# KiCad board tida_010057_imported.kicad_pcb (continued)
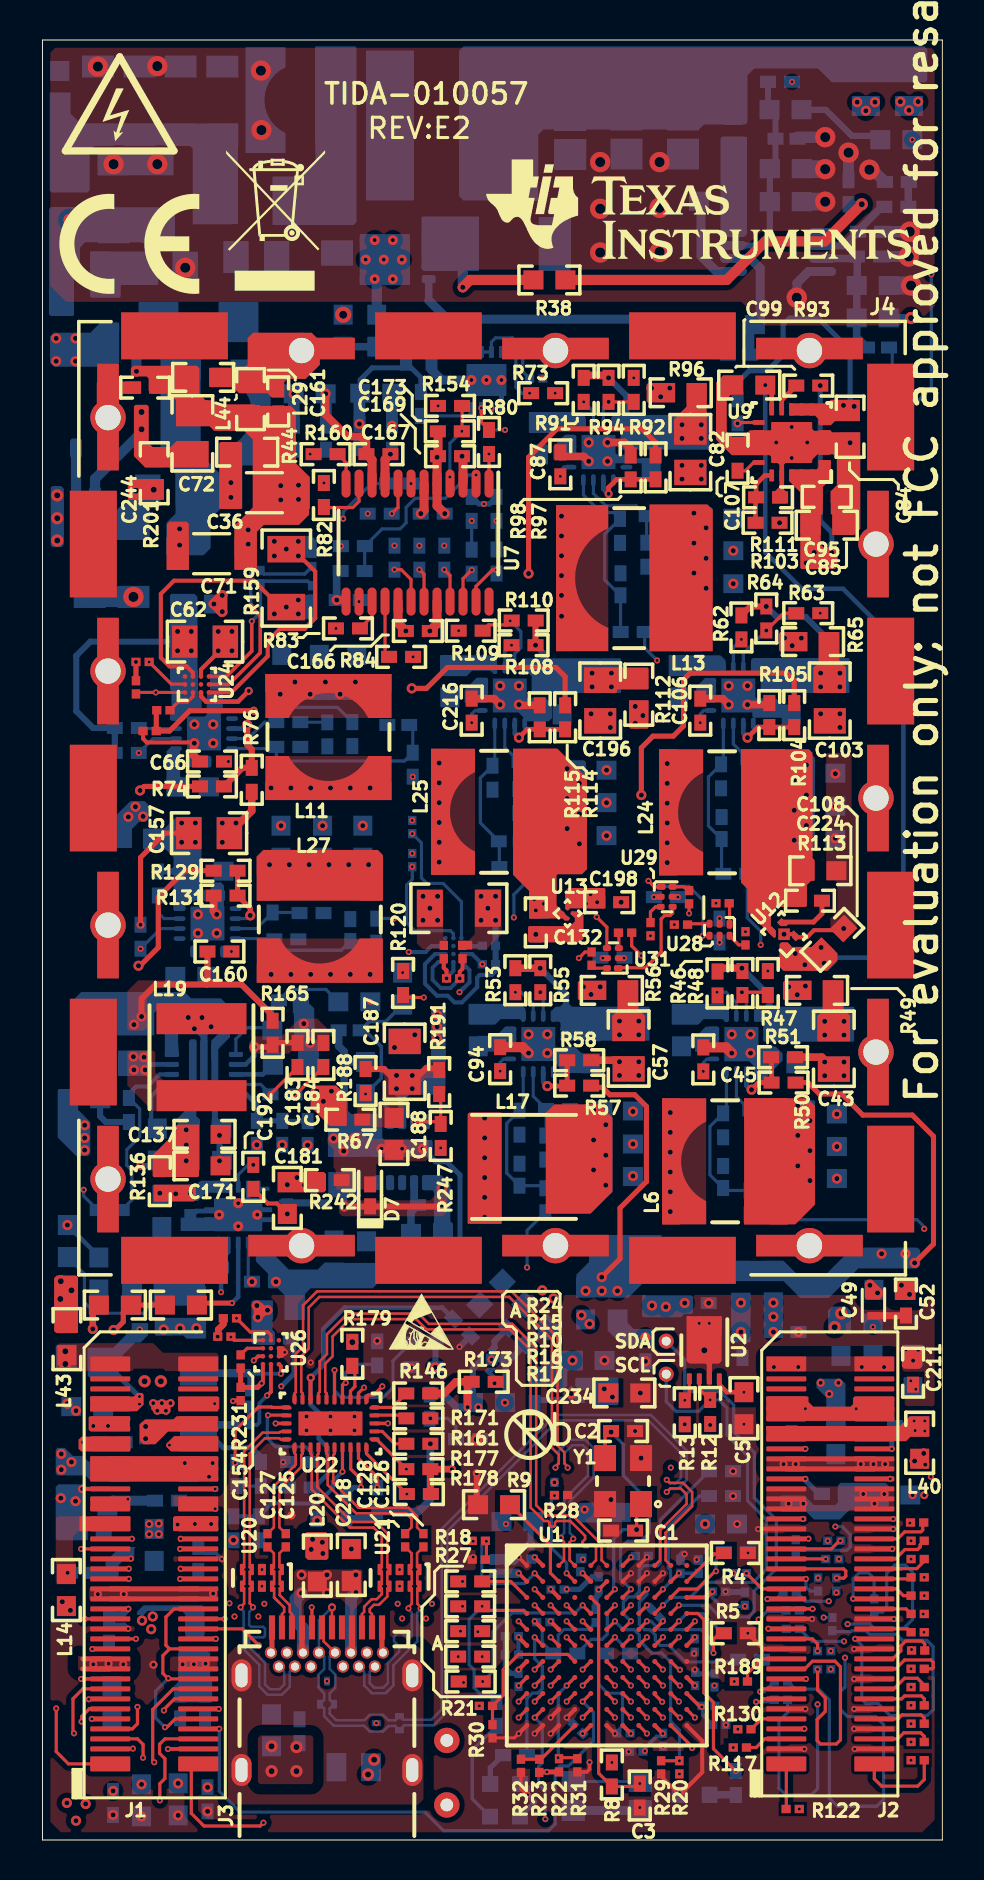
[diagram p0: board, top side]
## Routing (per net, layer and track width the routed paths; a pad name or vN(x,y) marks a point on that pad's centre or on a via; arc(x,y) is an arc through that point) (continued)
ALTERNATE HV INPUT:
  vias: v1(5.87,32.34) v1(6.66,32.31) v1(7.39,32.35) v1(13.72,37.44) v1(14.05,36.93) v1(14.45,37.44) v1(42.9,86.92) v1(43.33,86.49) v1(43.79,86.92)
CC1: length 14.1
  Top Layer w0.159: v2(16.08,22.62) 15.8,22.34 U22.2 ; J3.A5 13.47,11.67
  Signal Layer 1 w0.102: v2(13.46,11.63) 13.46,13.46 13.75,13.75 14.27,13.75 14.62,14.09 14.62,18.57 15.12,19.08 15.12,21.66 v2(16.08,22.62)
CC2: length 19.2
  Top Layer w0.159: U22.1 16.2,22.16 16.3,22.25 16.56,22.25 v2(16.99,22.68)
  Signal Layer 1 w0.102: J3.B5 15.02,8.17 15.3,7.9 16.92,7.9 17.56,8.54 17.56,9.87 17.22,10.21 17.22,18.01 16.71,18.52 16.71,22.4 v2(16.99,22.68)
CDCE_S0: length 89.5
  Top Layer w0.159: v2(24.61,11.74) U1.D2
  Signal Layer 2 w0.102: v2(24.61,11.74) 24.96,12.09 24.96,14.86 24.4,15.42 23.47,15.42 23.46,15.41 17.43,15.41 15.68,17.17 6.46,17.17 4.24,19.38 4.24,21.34 1.99,23.59 1.99,26.11 3.34,27.47 3.34,27.96 0.61,30.69 0.61,64.08 2.62,66.09 13.59,66.09 14.92,64.76 v2(14.92,64.69)
CDCE_VCTRL: length 100.4
  Top Layer w0.159: v2(26.21,11.74) U1.D4
  Signal Layer 1 w0.102: v2(44.42,18.16) 43.59,18.16 42.93,18.82 42.93,19.72 42.46,20.19 32.99,20.19 v2(31.42,18.62)
  Signal Layer 2 w0.102: v2(44.42,18.16) 44.63,18.36 44.63,30.76 43.74,31.65 43.74,65.48 41.88,67.34 29.87,67.34 28.98,68.22 27,68.22 24.15,71.08 20.41,71.08 v2(19.78,71.7) ; v2(26.21,11.74) 26.21,12.04 26.64,12.47 26.64,14.48 26.97,14.81 26.97,15.65 27.79,16.46 27.79,17.48 28.7,18.39 30.35,18.39 30.58,18.62 v2(31.42,18.62)
CLKIN_FX3: length 17.7
  Top Layer w0.159: J1.30 v2(9.11,11.06)
  Signal Layer 2 w0.102: v2(9.11,11.06) 8.87,11.29 8.87,11.91 9.26,12.3 11.16,12.3 12.26,11.2 15.39,11.2 17.27,13.08 19.81,13.08 20.32,12.57 20.32,11.53 20.9,10.95 v2(20.9,10.44)
DC_DC_CLK1: length 104.6
  Top Layer w0.159: J1.43 3.39,14.55 v2(1.93,14.55) ; v2(19.07,42.12) 18.16,42.12 R120.2
  Signal Layer 1 w0.102: v2(1.93,14.55) 1.93,15.09 2.46,15.62 4.75,15.62 4.9,15.47 4.9,15.02 5.06,14.85 6.14,14.85 6.32,15.03 6.32,19.17 7.01,19.86 7.01,21.56 14,28.55 20.22,28.55 20.8,29.13 20.8,40.87 19.55,42.12 v2(19.07,42.12) 17.63,40.68 13.89,40.68 13.27,41.31 11.68,41.31 9.9,43.08 9.9,44.81 9.4,45.31 9.4,48.08 10.21,48.9 10.21,54.05 11,54.84 11,58.11 10.08,59.03 10.08,61.48 9.8,61.76 9.8,66.04 9.91,66.15 9.91,67.06 10.24,67.38 10.24,68.43 10.71,68.91 15.46,68.91 16.36,69.8 16.36,70.71 17.74,72.09 22.5,72.09 23.13,71.47 v2(23.13,70.5) 24.02,70.5 25.02,71.5 v2(25.02,73.08)
  Bottom Layer w0.159: R75.2 v2(23.13,70.5)
DIR: length 2.7
  Bottom Layer w0.159: R148.2 10.99,17.63 R147.1 9.71,17.7 9.65,17.63
DM: length 46
  Top Layer w0.127: U1.A10 31.16,13.99 31.16,15.36 32.49,16.69 32.49,17.4 32.03,17.86 31.37,17.86 v2(31.22,18.01) ; J3.A7 14.47,11.63 v3(14.48,11.63)
  Bottom Layer w0.127: v2(31.22,18.01) 31.39,17.83 31.65,17.83 31.93,18.11 31.93,19.35 30.31,20.98 25.78,20.98 20.24,15.44 20.24,6.41 19.56,5.73 18.09,5.73 U19.2 17.64,5.7 17.3,5.7 17.03,5.43 16.37,5.43 16.08,5.72 14.57,5.72 14.08,6.2 14.08,6.58 U18.2 14.08,7 14.08,7.33 13.81,7.61 13.81,8.27 14.08,8.55 14.08,9.17 13.88,9.37 J3.B7 13.82,10.98 v3(14.48,11.63)
DP: length 43.9
  Top Layer w0.127: J3.A6 14.06,10.54 14.06,9.93 J3.B6 ; v2(31.22,17.4) 31.39,17.58 31.91,17.58 32.21,17.28 32.21,16.8 30.88,15.48 30.88,13.99 U1.A9
  Bottom Layer w0.127: v2(31.22,17.4) 31.22,17.4 31.37,17.55 31.76,17.55 32.21,17.99 32.21,19.47 30.42,21.25 25.66,21.25 19.96,15.56 19.96,6.53 19.45,6.01 18.03,6.01 U19.1 17.64,5.98 17.3,5.98 17.03,6.26 16.37,6.26 16.1,5.99 14.68,5.99 14.36,6.31 14.36,6.58 U18.1 14.36,7 14.36,7.33 14.64,7.61 14.64,8.27 14.36,8.55 14.36,9.17 14.57,9.37 J3.B6
FPGA_PG_1V: length 29.8
  Top Layer w0.159: R95.1 29.46,44.7 v2(29.95,44.22)
  Signal Layer 2 w0.102: v2(4.9,44.56) 5.52,43.94 21.13,43.94 22.23,45.04 24.22,45.04 24.78,44.48 29.69,44.48 v2(29.95,44.22)
  Bottom Layer w0.159: v2(4.9,44.56) 5.91,45.57 U30.14
FPGA_PG_2V5: length 34.7
  Top Layer w0.159: v2(32.33,46.33) R234.1
  Signal Layer 2 w0.102: v2(32.33,46.33) 30.43,46.33 28.78,47.98 21.54,47.98 21.03,48.49 21.03,50.54 20.19,51.38 7.79,51.38 v2(4.82,54.36)
  Bottom Layer w0.159: v2(4.82,54.36) 5.53,55.07 U6.14
FX3_A0: length 29.2
  Top Layer w0.159: v2(27.01,7.72) U1.H5 ; J1.7 4.49,5.56 4.75,5.82 v2(4.75,6.65)
  Signal Layer 2 w0.102: v2(4.75,6.65) 5.38,7.29 7.25,7.29 8.59,8.63 8.59,8.64 9.05,9.1 9.06,9.1 10.44,10.49 17.3,10.49 17.81,9.98 18.4,9.98 21.22,7.16 22.16,7.16 22.77,6.55 26.37,6.55 26.56,6.75 26.56,7.06 27.01,7.51 v2(27.01,7.72)
FX3_A1: length 28.8
  Top Layer w0.159: v2(27.01,6.92) U1.J5
  Bottom Layer w0.159: v2(27.01,6.92) 27.55,6.38 27.55,4.94 26.31,3.7 25.87,3.7 25.64,3.46 25.64,0.8 25.3,0.46 20.06,0.46 19.13,1.4 9.88,1.4 8.84,2.44 v2(8.84,5.56)
FX3_CLK: length 3
  Top Layer w0.159: 44.02,15.85 44.02,15.5 43.93,15.41 43.11,15.41 42.76,15.06 J2.46
FX3_CTL15: length 33.3
  Top Layer w0.159: v2(5.87,1.98) 5.87,2.82 6.12,3.07 6.12,4.06 5.85,4.33 5.85,4.79 6.12,5.06 J1.6 ; U1.L8 v2(30.23,5.32)
  Signal Layer 1 w0.102: v2(5.87,1.98) 6.03,2.14 15.15,2.14 16.58,0.72 21.13,0.72 23.06,2.65 28.76,2.65 29.74,3.63 29.74,4.83 v2(30.23,5.32)
FX3_D0: length 2.3
  Top Layer w0.159: J2.1 37.2,1.56 R122.2
FX3_D1: length 4.5
  Top Layer w0.159: R192.2 44.09,3.02 43.76,2.69 41.96,2.69 41.6,3.06 J2.2
FX3_D2: length 2.2
  Top Layer w0.159: R117.2 35.69,4.62 36.12,5.06 J2.5
FX3_D3: length 3
  Top Layer w0.159: R169.2 44.09,5.18 43.92,5.36 43.07,5.36 42.77,5.06 J2.6
FX3_D4: length 2
  Top Layer w0.159: J2.9 35.95,6.06 R130.2
FX3_D5: length 2.9
  Top Layer w0.159: R194.2 44.09,6.1 43.93,6.26 42.99,6.26 42.78,6.06 J2.10
FX3_D6: length 2.6
  Top Layer w0.159: J2.13 36.09,7.06 35.94,6.91 v2(35.69,6.91)
  Bottom Layer w0.159: R155.2 36.56,7.06 36.41,6.91 v2(35.69,6.91)
FX3_D7: length 2.9
  Top Layer w0.159: R193.2 44.09,7.06 43.95,7.2 43.11,7.2 42.96,7.06 J2.14
FX3_D8: length 2.3
  Top Layer w0.159: v2(35.89,7.42) 36.03,7.56 J2.15
  Bottom Layer w0.159: R150.2 36.09,7.42 v2(35.89,7.42)
FX3_D9: length 3
  Top Layer w0.159: R196.2 44.09,7.75 43.75,8.09 43.11,8.09 42.58,7.56 J2.16
FX3_D10: length 11.9
  Top Layer w0.159: J2.19 38.12,8.56 38.51,8.94 39.62,8.94 39.9,8.66 39.9,5 39.7,4.8 38.91,4.8 38.73,4.97 38.73,6.02 39.14,6.43 39.14,7.11 38.76,7.49 v2(38.76,8.53) 38.74,8.56
FX3_D11: length 3.9
  Top Layer w0.159: J2.20 42.66,8.56 43.11,9 44.43,9 44.54,8.89 44.54,8.61 44.49,8.56 R197.2
FX3_D12: length 2.6
  Top Layer w0.159: R189.2 35.26,8.33 35.98,9.06 J2.21
FX3_D13: length 3.4
  Top Layer w0.159: R125.2 44.12,9.8 43.98,9.95 43.16,9.95 42.93,9.71 42.93,9.46 42.52,9.06 J2.22
FX3_D14: length 2
  Top Layer w0.159: J2.25 38.51,10.06 38.76,9.8 v2(38.76,9.45)
FX3_D15: length 16.7
  Top Layer w0.159: 41.59,10.06 J2.26 40.64,10.06 v2(40.64,10.06)
  Bottom Layer w0.159: v2(40.64,10.06) 40.97,9.73 40.97,7.03 41.17,6.83 41.78,6.83 42.38,6.22 44.25,6.22 44.54,6.52 44.54,9.66 44.22,9.98 43,9.98 42.7,10.29 41.35,10.29 41.17,10.47 40.47,10.47 40.42,10.42 39.55,10.42 R243.2
FX3_D16: length 1.9
  Top Layer w0.159: v2(36.3,10.57) 36.27,10.57 36.26,10.56 J2.27 37.21,10.57
  Bottom Layer w0.159: 36.26,10.56 36.27,10.57 v2(36.3,10.57) 36.31,10.56 J2.27
FX3_D17: length 1.9
  Top Layer w0.159: J2.28 43.27,10.56 R244.2
FX3_D18: length 2.1
  Top Layer w0.159: 38.58,11.56 v2(38.51,11.56) J2.31
  Bottom Layer w0.159: R228.2 37.92,11.56 v2(38.51,11.56)
FX3_D19: length 1.9
  Top Layer w0.159: J2.32 43.18,11.56 R227.2
FX3_D20: length 0.9
  Bottom Layer w0.159: R224.2 36.69,12.05 v2(36.25,12.05)
FX3_D21: length 4.4
  Top Layer w0.159: J2.34 41.59,12.06 v2(40.54,12.06)
  Bottom Layer w0.159: J2.34 41.59,12.06 41.59,13.07 41.3,13.36 40.84,13.36 40.54,13.06 v2(40.54,12.06)
FX3_D22: length 2.3
  Top Layer w0.159: v2(35.2,13.34) 35.98,12.56 J2.35
FX3_D23: length 2
  Top Layer w0.159: R216.2 43.05,12.22 42.71,12.56 J2.36
FX3_D24: length 1.1
  Bottom Layer w0.159: R223.2 38.38,12.45 38.18,12.65 v2(38.18,13.06)
FX3_D25: length 1.9
  Top Layer w0.159: J2.38 43.36,13.06 R218.2
FX3_D26: length 3.8
  Top Layer w0.159: J2.39 40.06,13.56 40.17,13.45 40.17,13.2 40.07,13.09 v2(39.71,13.09)
FX3_D27: length 4.2
  Top Layer w0.159: R219.2 44.15,14 43.72,13.57 41.6,13.57 J2.40 42.94,13.56
FX3_D28: length 2
  Top Layer w0.159: v2(39.17,14.05) 39.16,14.06 J2.41
FX3_D29: length 2.9
  Top Layer w0.159: J2.42 42.66,14.06 43.12,14.52 43.76,14.52 43.89,14.66 43.89,14.76 R221.2
FX3_D30: length 2.9
  Top Layer w0.159: J2.43 39.45,14.56 39.85,14.96 v2(39.9,14.96)
FX3_D31: length 1.8
  Top Layer w0.159: v2(38.3,15.06) 38.3,15.06 J2.45
  Bottom Layer w0.159: R240.2 37.72,15.06 v2(38.3,15.06)
FX3_FLAGA: length 32
  Top Layer w0.159: J1.3 4.51,4.56 v2(4.52,4.57) ; U1.G7 v2(29.43,8.52)
  Signal Layer 2 w0.102: v2(29.43,8.52) 28.98,8.07 28.16,8.07 27.74,7.65 27.74,6.2 27.21,5.67 26.87,5.67 26.17,4.97 21.81,4.97 20.43,6.35 9.71,6.35 9.12,6.94 7.7,6.94 7.29,6.53 7.29,4.91 6.52,4.14 5.94,4.14 5.51,4.57 v2(4.52,4.57)
FX3_FLAGB: length 30.3
  Top Layer w0.159: 6.37,4.56 J1.4 7.78,4.55 v2(6.27,4.55) ; U1.G6 v2(28.63,8.52)
  Signal Layer 2 w0.102: v2(6.27,4.55) 7.01,5.28 7.01,6.65 7.58,7.22 9.24,7.22 9.82,6.63 21.28,6.63 22.2,5.72 26.3,5.72 26.56,5.98 26.56,6.22 26.92,6.57 27.16,6.57 27.36,6.78 27.36,7.86 28.03,8.52 v2(28.63,8.52)
FX3_FSLC0: length 6.3
  Top Layer w0.159: v2(24.61,13.34) U1.B2 ; 22.2,14.15 v2(22.2,14.94)
  Bottom Layer w0.159: v2(22.2,14.94) 21.97,14.7 21.97,13.03 22.17,12.83 24.1,12.83 v2(24.61,13.34)
FX3_FSLC1: length 4.8
  Top Layer w0.159: v2(26.21,13.34) U1.B4
  Bottom Layer w0.159: v2(26.21,13.34) 26.21,13.84 25.44,14.61 25.44,17.06 v2(25.6,17.22)
FX3_FSLC2: length 10.4
  Top Layer w0.159: U1.E6 v2(28.63,10.94) ; R29.2 v2(31.85,3.96)
  Bottom Layer w0.159: v2(31.85,3.96) 31.85,5.49 31.41,5.93 31.41,8.9 30.97,9.34 30.48,9.34 29.85,9.98 29.85,10.25 29.58,10.52 29.05,10.52 v2(28.63,10.94)
FX3_GPO0: length 33.3
  Top Layer w0.159: J1.11 2.34,6.56 1.96,6.17 v2(1.96,5.92) ; U1.K6 v2(28.63,6.12)
  Signal Layer 1 w0.102: v2(1.96,5.92) 2.87,5 9.65,5 10.87,6.23 17.55,6.23 19.99,3.78 25.06,3.78 25.06,3.79 25.56,3.79 26,3.35 27.51,3.35 28.04,3.89 28.04,5.54 v2(28.63,6.12)
FX3_GPO1: length 30.6
  Top Layer w0.159: v2(2.31,7.04) 2.33,7.06 J1.13 ; v2(27.01,8.52) U1.G5
  Signal Layer 1 w0.102: v2(27.01,8.52) 26.56,8.07 26.56,5.48 25.93,4.85 22.28,4.85 20.32,6.81 9.11,6.81 8.47,7.44 2.72,7.44 v2(2.31,7.04)
FX3_GPO2: length 24.1
  Top Layer w0.159: U1.H6 v2(28.63,7.72)
  Signal Layer 2 w0.102: v2(28.63,7.72) 28.58,7.72 27.99,7.13 27.99,5.62 26.04,3.68 25.67,3.68 25.37,3.98 19.35,3.98 18.8,4.53 17.46,4.53 16.3,5.69 9.68,5.69 v2(8.81,6.55)
FX3_GPO3: length 26.6
  Top Layer w0.159: J1.14 6.6,7.06 6.07,6.53 v2(6.07,6.48) ; v2(27.01,6.12) U1.K5
  Signal Layer 1 w0.102: v2(6.07,6.48) 6.38,6.17 10.26,6.17 10.61,6.52 20.17,6.52 22.13,4.57 27.2,4.57 27.46,4.83 27.46,5.68 v2(27.01,6.12)
FX3_I2C_SCL: length 144.8
  Top Layer w0.159: R185.1 4.75,57.38 v2(5.66,57.38) U24.A1 ; v2(9.42,25.15) 9.58,24.99 U26.A1 ; v2(33.39,22) 32.85,22.54 U2.6 ; v2(18.2,18.54) 16.71,20.03 U22.26 ; U1.D9 v2(31.03,11.74)
  Signal Layer 1 w0.102: v2(9.42,25.15) 9.42,25.2 8,26.62 8,37.8 6,39.79 6,57.04 v2(5.66,57.38) ; v2(21.46,65.96) 21.95,65.48 21.95,51.79 20.53,50.37 19.25,50.37 19.03,50.6 18.77,50.6 v2(18.49,50.32)
  Signal Layer 2 w0.102: v2(18.49,50.32) 18.11,49.93 18.11,49.42 16.62,47.93 5.69,47.93 3.45,50.17 3.45,55.73 5.11,57.38 v2(5.66,57.38) ; v2(9.42,25.15) 9.42,23.26 10.32,22.37 10.32,21.25 11.84,19.73 17.01,19.73 v2(18.2,18.54) 18.84,17.9 22.88,17.9 26.31,21.34 30.92,21.34 31.96,22.37 33.02,22.37 v2(33.39,22)
  Bottom Layer w0.159: 34.45,20.02 35.26,19.21 35.26,16.97 36.2,16.03 36.2,13.54 35.54,12.88 34.21,12.88 34.21,12.89 33.14,12.89 32.38,12.13 31.42,12.13 v2(31.03,11.74) ; U25.A1 20.95,46.92 20.04,47.83 19.23,47.83 18.95,48.11 18.95,49.86 v2(18.49,50.32) ; 21.46,64.7 v2(21.46,65.96) ; 34.46,20.03 34.23,20.26 34.23,21.6 33.83,22 v2(33.39,22) 32.82,21.44 31.67,21.44 31.19,21.92 SCL.1
FX3_I2C_SDA: length 152.2
  Top Layer w0.159: v2(5.33,58.9) 6.44,57.79 7.11,57.79 U24.A2 7.12,57.79 ; v2(32.12,21.99) 32.35,22.21 U2.5 ; U1.D10 v2(31.83,11.74) ; U26.A2 11.42,25.25 11.28,25.4 10.39,25.4 v2(9.7,26.09) ; U22.25 16.2,19.32 v2(18.22,17.3)
  Signal Layer 1 w0.102: v2(18.49,48.67) 19.21,49.38 20.02,49.38 22.23,51.59 22.23,65.48 v2(22.71,65.96) ; v2(9.7,26.09) 9.09,26.09 8.28,26.9 8.28,37.92 6.29,39.91 6.29,57.95 v2(5.33,58.9)
  Signal Layer 2 w0.102: v2(5.33,58.9) 5.05,58.62 5.05,57.73 3.17,55.85 3.17,50.05 5.57,47.65 16.73,47.65 17.75,48.67 v2(18.49,48.67) ; v2(32.12,21.99) 31.13,21 26.38,21 23,17.62 18.54,17.62 v2(18.22,17.3) 17.81,17.71 17.81,18.39 16.74,19.45 11.72,19.45 10.03,21.14 10.03,22.25 8.33,23.96 8.33,25.83 8.59,26.09 v2(9.7,26.09)
  Bottom Layer w0.159: SDA.1 32.12,24.02 32.12,22.38 ; 32.12,22.38 32.16,22.42 33.9,22.42 34.57,21.74 34.57,20.4 35.6,19.37 35.6,17.11 36.7,16.01 36.7,13.56 35.59,12.45 35.59,11.41 35.33,11.15 33.88,11.15 33.3,11.74 v2(31.83,11.74) ; 32.12,22.38 v2(32.12,21.99) ; U25.A2 20.55,45.31 20.4,45.47 18.62,45.47 18.21,45.87 18.21,47.75 18.49,48.03 v2(18.49,48.67) ; 22.71,64.71 v2(22.71,65.96)
FX3_INITB: length 16.3
  Top Layer w0.159: J1.28 9.99,10.56 v2(10.82,9.73)
  Signal Layer 1 w0.102: v2(10.82,9.73) 10.82,8.74 12.4,7.16 19.53,7.16 20.79,8.42 v2(20.79,9.17)
FX3_PG_1V2: length 6.5
  Signal Layer 1 w0.102: v2(33.73,42.39) 33.47,42.65 33.47,46.63 v2(33.68,46.84)
  Bottom Layer w0.159: v2(33.73,42.39) 34.18,42.39 34.7,41.87 U4.14 34.7,41.19
FX3_PG_1V8: length 12
  Signal Layer 2 w0.102: v2(23.65,42.39) 24.26,43 25.17,43 25.37,43.2 30.58,43.2 30.96,43.59 30.96,45.14 v2(31.6,45.77)
  Bottom Layer w0.159: v2(23.65,42.39) 23.92,42.39 23.93,42.39 24.54,41.78 U5.14
FX3_PKTEND: length 39.7
  Top Layer w0.159: v2(1.57,5.33) 1.52,5.38 1.52,7.06 2.02,7.56 J1.15 ; U1.H8 v2(30.23,7.72)
  Signal Layer 2 w0.102: v2(1.57,5.33) 6.4,0.51 9.47,0.51 10.36,1.4 18.24,1.4 19.98,3.14 22.64,3.14 23.12,2.67 25.84,2.67 25.96,2.55 26.6,2.55 29.06,5.01 29.06,7.05 29.28,7.27 29.47,7.27 29.92,7.72 v2(30.23,7.72)
FX3_PMODE0: length 7
  Top Layer w0.159: R30.2 R21.1 23.04,7.24 23.04,8.51 23.81,9.28 24.37,9.28 24.37,9.28 24.87,9.28 25.17,9.28 25.17,9.28 25.67,9.28 26.27,9.28 U1.G4
FX3_PMODE1: length 5.4
  Top Layer w0.159: v2(25.78,4.11) 26.7,4.11 R31.2 ; v2(26.21,7.72) U1.H4
  Bottom Layer w0.159: v2(25.78,4.11) 25.79,4.1 25.79,4.1 25.79,7.3 v2(26.21,7.72)
FX3_PMODE2: length 3.4
  Top Layer w0.159: 24.84,4.06 24.95,4.06 U1.L4 ; R32.2 R23.1
FX3_PRGB: length 16.7
  Signal Layer 2 w0.102: v2(8.66,10.06) 8.1,10.62 8.1,12.57 9.43,13.91 13.37,13.91 13.44,13.84 14.22,13.84 14.29,13.91 20.02,13.91 v2(21.01,12.93)
FX3_RST: length 14.6
  Top Layer w0.159: U1.C5 27.81,11.73 27.81,3.34 R8.1 29.72,2.68
  Bottom Layer w0.159: v6(29.87,2.82) 29.77,2.92 S1.2 26.64,2.82
FX3_SLCS: length 29.5
  Top Layer w0.159: U1.K8 v2(30.23,6.12) ; J1.2 7.44,3.46 7.44,1.33 8.07,0.7 10.88,0.7 v2(11.05,0.86)
  Signal Layer 2 w0.102: v2(30.23,6.12) 29.88,5.77 29.88,4.96 29.74,4.82 29.74,4.08 27.91,2.26 26.11,2.26 25.73,1.87 21.86,1.87 20.75,0.76 18.44,0.76 18.33,0.86 v2(11.05,0.86)
FX3_SLOE: length 46.4
  Top Layer w0.159: v2(0.69,6.58) 0.69,4.42 1.3,3.81 J1.1 ; U1.J7 v2(29.43,6.92)
  Signal Layer 1 w0.102: v2(29.43,6.92) 29.68,6.92 30.13,6.47 30.37,6.47 30.58,6.27 30.58,6.02 30.93,5.67 31.17,5.67 31.38,5.47 31.38,5.46 31.47,5.36 31.47,5.36 31.47,3.86 29.97,2.36 25.25,2.36 25,2.11 25,2.1 24.73,1.83 23.37,1.83 21.97,0.43 15.37,0.43 14.38,1.42 8.94,1.42 8.46,0.94 8.05,0.94 7.28,1.72 6.39,1.72 6.27,1.6 5.39,1.6 5.23,1.75 3.54,1.75 1.86,3.44 1.86,3.45 0.69,4.62 v2(0.69,6.58)
FX3_SLRD: length 32.3
  Top Layer w0.159: v2(5.03,4.11) 5.03,4.78 4.75,5.06 J1.5 ; U1.H7 v2(29.43,7.72)
  Signal Layer 2 w0.102: v2(5.03,4.11) 5.03,3.89 6.82,2.11 18.52,2.11 19.84,3.43 22.76,3.43 23.22,2.97 25.9,2.97 27.2,4.27 27.57,4.27 28.28,4.98 28.28,7.07 28.52,7.32 28.97,7.32 29.38,7.72 v2(29.43,7.72)
FX3_SLWR: length 33.7
  Top Layer w0.159: v2(5.59,3.89) 5.51,3.96 5.51,6.53 6.54,7.56 J1.16 ; U1.K7 v2(29.43,6.12)
  Signal Layer 1 w0.102: v2(29.43,6.12) 29.04,5.74 29.04,4.99 28.86,4.81 28.86,3.72 28.16,3.02 20.35,3.02 18.04,5.33 10.41,5.33 8.97,3.89 v2(5.59,3.89)
GLOBAL ENABLE: length 182.3
  Signal Layer 1 w0.102: v2(2.06,32.51) 3.05,31.52 3.05,22.1 3.71,21.43 3.71,18.17 1.54,16 1.54,14.39 1.94,14 3.28,14 3.84,14.55 v2(6.88,14.55) ; v2(36.27,43.45) 36.54,43.72 36.54,46.36 36.86,46.68 36.86,58.31 38.89,60.35 v2(38.89,61.34) 36.35,63.89 36.35,69.04 35.48,69.9 35.48,71.6 33.98,73.11 v2(29.57,73.11) 29.57,74.87 33.13,78.44 33.13,83.56 v2(37.48,87.91)
  Signal Layer 2 w0.102: 36.96,41.57 36.29,40.9 36.29,33.97 29.38,27.07 29.38,26.2 28.5,25.32 24.4,25.32 21.06,28.65 21.06,33.45 v2(19.91,34.6) 17.56,32.25 12.07,32.25 11.48,32.84 5.67,32.84 4.76,31.93 2.64,31.93 v2(2.06,32.51) ; 36.96,41.57 38.88,41.57 41.03,43.72 41.03,50.2 40.36,50.87 40.36,55.42 40.37,55.42 40.37,59.87 v2(38.89,61.34) 38.49,60.93 34.77,60.93 34.54,60.7 25.2,60.7 24,61.9 21.31,61.9 20.81,61.4 v2(20.81,60.47) ; 36.96,41.57 36.27,42.26 v2(36.27,43.45)
  Bottom Layer w0.159: R246.2 2.06,32.2 v2(2.06,32.51)
Green Power Good: length 61.1
  Top Layer w0.159: v2(27.71,46.15) 28.22,45.64 U31.4
  Signal Layer 1 w0.102: v2(27.71,46.15) 27.33,45.77 27.33,43.89 27.15,43.71 26.65,43.71 26.37,43.99 26.37,45.57 26.16,45.77 24.2,45.77 22.91,44.48 22.08,44.48 21.61,44.01 21.61,30.66 23.14,29.13 24.38,29.13 24.79,28.73 24.79,28.35 24.59,28.14 14.15,28.14 10.08,24.08 10.08,16.81 7.32,14.05 6.63,14.05 6.15,13.56 v2(4.32,13.56)
HV DISABLE: length 113.3
  Signal Layer 1 w0.102: v2(6.91,13.56) 9.78,13.56 10.46,14.25 10.46,18.14 12.57,20.24 12.57,23.58 14.64,25.65 22.76,25.65 24.23,24.18 24.23,22.76 25.63,21.36 36.47,21.36 37.16,20.68 41.17,20.68 42.55,22.05 42.55,27.45 42.46,27.53 42.46,30.12 44.45,32.11 v2(44.45,78.28)
  Bottom Layer w0.159: v2(44.45,78.28) 44.45,72.62 43.82,71.99 R123.1
HV FB: length 55.5
  Signal Layer 2 w0.381: v5(43.43,76.1) 42.34,77.2 42.34,83.85 37.56,88.63 22.1,88.63 14.48,81 v5(1.35,81)
  Bottom Layer w0.381: R42.2 43.42,76.11 v5(43.43,76.1)
  Bottom Layer w0.508: R42.2 42.33,76.1
HVGND: length 21.8
  Bottom Layer w0.45: v7(37.72,77.11) 37.73,77.12 37.73,77.85 38.3,78.43 U3.4 ; U3.5 33.7,78.43 32.93,79.2 32.93,81.81
  Bottom Layer w0.508: v1(4.7,73.43) 4.7,74.8 D6.1
  Bottom Layer w0.559: C32.2 v7(40.31,84.37) ; 37.76,85.14 v7(39.14,85.14) ; R40.1 41.51,83.52 v7(41.35,83.52) ; C33.2 v7(43.32,79.17) ; C177.2 v7(43.37,80.42)
  Bottom Layer w0.762: C42.2 38,83.54
  Bottom Layer w0.889: R45.1 v7(43.43,77.72) ; 38.07,81.92 v7(39.14,81.92) ; 38.02,83.54 v7(39.14,83.54)
  Bottom Layer w1.016: C208.1 2.39,62.16 ; 2.39,62.16 2.36,62.18 ; 2.39,62.16 v7(4.55,62.16)
  vias: v1(10.29,65.51) v1(10.29,64.8) v1(11.91,67.72) v1(11.91,67.01) v1(12.8,67.74) v1(12.8,67.03) v5(16.28,3.28) v5(16.59,4.01) v7(2.77,88.67) v7(3.56,83.79) v7(5.74,88.7) v7(5.74,83.79) v7(7.14,78.61) v7(10.92,88.47) v7(10.95,85.5) v7(27.89,83.9) v7(27.89,81.56) v7(27.89,79.38) v7(30.86,83.9) v7(30.86,81.61) v7(30.86,79.4) v8(15.04,76.26)
HVM:
  vias: v5(1.14,24.43) v5(1.14,23.8)
HVP:
  vias: v3(36.58,23.65) v3(37.8,23.65) v3(40.97,23.65) v3(42.09,23.65)
I2C_1V8: length 127.2
  Top Layer w0.229: v2(35.08,22.39) 34.23,22.39 33.85,22.77 U2.8
  Top Layer w0.254: v3(4.67,58.9) 4.67,57.96 R185.2
  Top Layer w0.33: v3(20.47,18.54) R177.1 19.4,17.32 R178.1 ; v3(8.76,25.17) 8.79,25.2 8.79,25.53 9.04,25.78 R236.2
  Signal Layer 2 w0.203: v3(8.76,25.17) 9.17,25.58 9.88,25.58 10.13,25.32
  Signal Layer 2 w0.254: v3(4.67,58.9) 4.67,59.72 ; 4.67,59.72 4.29,60.1 2.69,60.1 1.18,58.58 1.18,32.06 2.63,30.62 7.16,30.62 8.95,32.4 11.41,32.4 11.94,31.87 14.1,31.87 17.78,28.18 17.78,26.29 ; 4.67,59.72 5.41,59.72 6.13,59 6.13,56.67 4.27,54.81 4.27,54.03 5.77,52.53 5.77,49.86 6.52,49.1 10.44,49.1 11.15,49.81 16.59,49.81 17.75,50.98 v2(18.49,50.98) 18.97,50.5 18.97,49.81 v2(18.49,49.33) ; 17.78,26.29 14.83,26.29 13.87,25.32 10.13,25.32 ; 17.78,26.29 20.58,23.49 ; 20.58,23.49 20.47,23.39 v3(20.47,18.54) ; 20.58,23.49 21.67,24.58 29.6,24.58 v1(30.15,25.14) 30.76,25.75 32.12,25.75 32.68,25.18 33.55,25.18 35.08,23.66 v2(35.08,22.39) 35.03,22.39 v3(33.39,20.75) 33.35,20.79 v3(32.12,20.79)
INT#: length 3.1
  Top Layer w0.159: U22.23 15.42,19.61 15.42,18.54 15.93,18.03 v2(15.93,17.63)
  Bottom Layer w0.254: v2(15.93,17.63) 15.56,17.63 R238.2
NetC4_1: length 3.4
  Top Layer w0.159: U1.E10 v2(31.83,10.94)
  Bottom Layer w0.159: C4.1 34.01,10.34 33.03,11.32 32.21,11.32 v2(31.83,10.94)
NetC25_2: length 2.9
  Bottom Layer w0.508: R35.2 16.71,78.67 v4(17.07,79.02)
  vias: v4(16.16,79.02) v4(16.61,79.99) v4(16.61,78.04) v4(17.52,79.99) v4(17.52,78.04) v4(17.97,79.02)
NetC27_1: length 3.8
  Bottom Layer w0.381: 42,81.68 40.79,80.47 C177.1 40.78,80.42 40.09,79.73 U3.2
NetC27_2: length 1.3
  Bottom Layer w0.381: R40.2 43.3,82.88 C27.2
NetC28_2: length 4.7
  Bottom Layer w0.305: R36.1 39.17,86.51 40.47,85.21 41.9,85.21 C28.2
NetC32_1: length 19.3
  Top Layer w0.508: R38.1 34.22,78 36.15,79.93 39.12,79.93 v5(40.97,81.79)
  Bottom Layer w0.33: v5(40.97,81.79) C32.1 40.31,81.13 39.56,80.38 U3.1
NetC33_1: length 6.5
  Bottom Layer w0.381: D18.1 40.72,75.14 R42.1 R45.2 40.74,77.75 C33.1 40.64,79.08 U3.3
NetC34_1: length 1.7
  Bottom Layer w0.381: C34.1 R35.1
NetC36_2:
  vias: v1(6.86,65.56) v1(6.86,64.74) v1(9.42,67.87) v1(9.42,67.13)
NetC39_2:
  vias: v1(31.39,36.37) v1(31.39,35.38) v1(31.39,34.39) v1(31.39,33.4) v1(31.39,32.41) v1(31.39,31.42)
NetC41_1: length 4.9
  Top Layer w0.381: 33.73,43.59 v1(34.98,43.59)
  Bottom Layer w0.305: U4.1 36.35,42.22 v1(34.98,43.59)
  vias: v1(39.12,40.93) v1(39.12,40.25) v1(40.08,40.93) v1(40.08,40.25)
NetC42_1: length 9.9
  Bottom Layer w0.305: U3.7 35.81,79.73 36.37,80.29 R39.2 C42.1 36.66,83.85 36.66,86.4 36.28,86.78 R245.2
NetC45_1: length 1
  Bottom Layer w0.159: v2(33.05,38.43) 33.05,38.86 33.22,39.04 33.55,39.04
NetC46_1: length 14.7
  Top Layer w0.254: R50.2 38.28,37.87 38.85,37.3 39.97,37.3 41.02,36.25 43.5,36.25 44.56,35.18 44.56,29.8 v1(43.61,28.85)
  vias: v1(37.77,36.73) v1(37.77,35.23) v1(37.77,33.71) v1(38.38,35.97) v1(38.38,34.47) v1(38.38,32.97) v1(41.96,29.31) v1(43.15,29.31)
NetC50_1: length 3.5
  Bottom Layer w0.159: C50.1 35.39,35.15 R52.2 34.7,37.17 U4.7
NetC51_1: length 1.4
  Bottom Layer w0.159: R52.1 36.65,36.41 C51.1
NetC54_2:
  vias: v1(22.11,36.09) v1(22.11,35.1) v1(22.11,34.11) v1(22.11,33.12) v1(22.11,32.13) v1(22.11,31.14)
NetC56_1: length 4.8
  Top Layer w0.381: R53.1 v1(24.89,43.59)
  Bottom Layer w0.305: U5.1 26.19,42.29 v1(24.89,43.59)
  vias: v1(28.85,40.94) v1(28.85,40.26) v1(29.82,40.94) v1(29.82,40.26)
NetC59_2:
  vias: v1(11.43,52.6) v1(12.42,52.6) v1(13.41,52.6) v1(14.4,52.6) v1(15.39,52.6) v1(16.38,52.6)
NetC60_2: length 11.3
  Bottom Layer w0.159: D14.1 18.52,55.58 C60.2 18.1,53.95 11.94,53.95 11.69,54.2 R119.1 11.61,54.57 U6.8
NetC61_1: length 40
  Top Layer w0.254: v1(4.88,52.48) 5.08,52.68 R74.2
  Signal Layer 1 w0.254: v1(4.88,52.48) 3.17,52.48 1.54,50.85 1.54,31.93 2.46,31.01 2.46,27.08 1.8,26.42 1.8,22.99 2.24,22.55 2.24,21.13 0.94,19.83 v1(0.94,19.3)
  vias: v1(0.94,18.52) v1(1.45,18.9) v1(11.89,57.29) v1(12.62,57.9) v1(13.39,57.29) v1(14.15,57.9) v1(14.88,57.29) v1(15.65,57.9)
NetC62_1: length 12
  Bottom Layer w0.305: C62.1 2.4,59.92 1.69,59.21 1.69,56.44 2.53,55.6 R69.1 R66.1
  vias: v1(6.76,60.43) v1(6.76,59.46) v1(7.44,60.43) v1(7.44,59.46)
NetC65_2: length 7.5
  Bottom Layer w0.159: C65.2 16.61,44.94 D15.1 14.94,44.49 12.14,44.49 R132.1 11.55,45.07 U30.8
NetC66_1: length 0.5
  Bottom Layer w0.159: U6.9 9.29,53.92 v2(9.3,53.92)
NetC69_2: length 9.4
  Bottom Layer w0.159: U10.8 27.05,67.26 27.94,66.37 28.57,66.37 R100.1 28.12,65.29 28.12,63 28.88,62.24 D16.1 28.91,60.41 C69.2
NetC72_1: length 5.2
  Bottom Layer w0.508: Q3.1 2.63,68.06 4.95,70.38 v5(4.95,71.4)
  vias: v5(4.95,70.54)
NetC75_1: length 7.3
  Bottom Layer w0.159: U6.7 10.28,55.07 11.1,55.89 R121.2 11.69,56.41 11.91,56.63 14.76,56.63 C75.1
NetC76_1: length 1.4
  Bottom Layer w0.159: R121.1 14.23,55.89 ; 14.24,55.71 14.25,55.7
NetC77_1: length 3.8
  Bottom Layer w0.159: R68.2 C77.1 21.2,75.06 21.45,74.82 U27.1
NetC78_1: length 4.5
  Bottom Layer w0.159: U27.2 U27.3 22.45,74.9 22.66,75.11 23.5,75.11 24.01,74.59 24.01,73.42 C78.1
NetC79_2:
  vias: v1(11.43,43.28) v1(12.42,43.28) v1(13.41,43.28) v1(14.4,43.28) v1(15.39,43.28) v1(16.38,43.28)
NetC80_2:
  vias: v1(25.95,66.19) v1(25.95,65.2) v1(25.95,64.21) v1(25.95,63.22) v1(25.95,62.23) v1(25.96,61.19)
NetC81_1: length 4.6
  Top Layer w0.381: 27.06,73.23 28.31,73.23
  Bottom Layer w0.305: v1(28.31,73.11) 29.2,72.22 U10.1
  vias: v1(31.98,70.76) v1(31.98,70.08) v1(32.94,70.76) v1(32.94,70.08)
NetC83_1: length 37.8
  Top Layer w0.254: R97.2 30.66,69.88 29.97,70.56 25.73,70.56 24.31,69.14 v1(24.31,63.32)
  Signal Layer 1 w0.254: v1(32.58,66.34) 27.38,66.34 26.75,66.98 25.07,66.98 24.31,66.22 v1(24.31,63.32)
  Bottom Layer w0.254: C84.1 40.39,74.5 38.79,76.1 37.36,76.1 37.03,75.77 37.03,74.24 36.25,73.46 35.33,73.46 34.76,72.89 R99.2
  vias: v1(32.58,64.85) v1(32.58,63.35) v1(33.19,65.61) v1(33.19,64.08) v1(33.19,62.59) v1(40.06,71.73) v1(40.59,71.68)
NetC87_1: length 0.9
  Bottom Layer w0.159: v2(25.9,68.18) 25.9,68.47 26.07,68.64 U10.9
NetC94_1: length 1
  Bottom Layer w0.159: U5.9 23.06,39.05 22.89,38.87 v2(22.89,38.44)
NetC96_1: length 12.7
  Top Layer w0.254: R57.2 27.44,37.63 28,37.63 28.37,37.26 29.62,37.26 30.2,36.68 30.2,32.92 28.88,31.6 28.88,29.06 v1(27.97,28.14)
  vias: v1(4.98,10.97) v1(5.44,10.54) v1(5.51,11.18) v1(27.16,27.46) v1(27.56,36.5) v1(27.56,35) v1(27.56,33.5) v1(27.97,27.46) v1(28.17,35.76) v1(28.17,34.24) v1(28.17,32.74) v1(28.75,27.46)
NetC100_1: length 3.5
  Bottom Layer w0.159: U5.7 24.54,37.19 R59.2 25.18,35.26 C100.1
NetC101_1: length 1.4
  Bottom Layer w0.159: C101.1 26.38,35.31 R59.1
NetC102_2:
  vias: v1(31.24,53.82) v1(31.24,52.83) v1(31.24,51.84) v1(31.24,50.85) v1(31.24,49.86) v1(31.24,48.87)
NetC103_1: length 7.3
  Top Layer w0.305: R62.1 35.4,61.68 v1(36.2,61.68)
  Bottom Layer w0.305: C103.1 39.37,59.94 38.16,61.15 36.72,61.15 v1(36.2,61.68)
  vias: v1(38.91,58.34) v1(38.91,57.66) v1(39.88,58.34) v1(39.88,57.66)
NetC106_1: length 1
  Bottom Layer w0.159: v2(32.89,55.87) 32.89,56.3 33.07,56.48 U11.9
NetC107_1: length 1.2
  Top Layer w0.159: U9.15 35.56,68.88 35.15,68.46 34.81,68.46
NetC110_1: length 24.7
  Top Layer w0.254: v1(29.95,52.25) 29.95,54.61 30.53,55.19 31.55,55.19 32.05,55.7 32.05,58.01 32.39,58.34 37.21,58.34 37.59,57.96 R104.2
  Signal Layer 2 w0.254: v1(29.95,52.25) 29.95,54.12 30.64,54.81 32.31,54.81 34.14,52.98 v1(37.59,52.98)
  vias: v1(37.59,51.49) v1(37.59,49.99) v1(38.2,53.75) v1(38.2,52.25) v1(38.2,50.72)
NetC114_1: length 3.4
  Bottom Layer w0.159: C114.1 35.29,52.79 R107.2 34.55,54.79 U11.7
NetC116_1:
  vias: v1(7.29,41.12) v1(7.59,40.56) v1(7.98,41.12) v1(8.43,40.67)
NetC117_1: length 4.2
  Bottom Layer w0.159: R135.2 4.42,35.79
  Bottom Layer w0.239: 4.85,38.84 4.91,38.78 U8.12
  Bottom Layer w0.305: R134.1 2.88,36.18 3.17,35.9 R135.2
  vias: v1(4.55,39.17) v1(4.57,38.51) v1(5.08,39.14) v1(5.13,38.51)
